# Altium PCB LM5116程控电源.PcbDoc
Units mil, origin at the board's own origin, x right, y up, seen from the top; angles counter-clockwise.
Board outline 1771.65 x 1259.84 mil, 2 copper layers (Top Layer, Bottom Layer); 37 components, 22 nets, 106 pads, 61 vias.
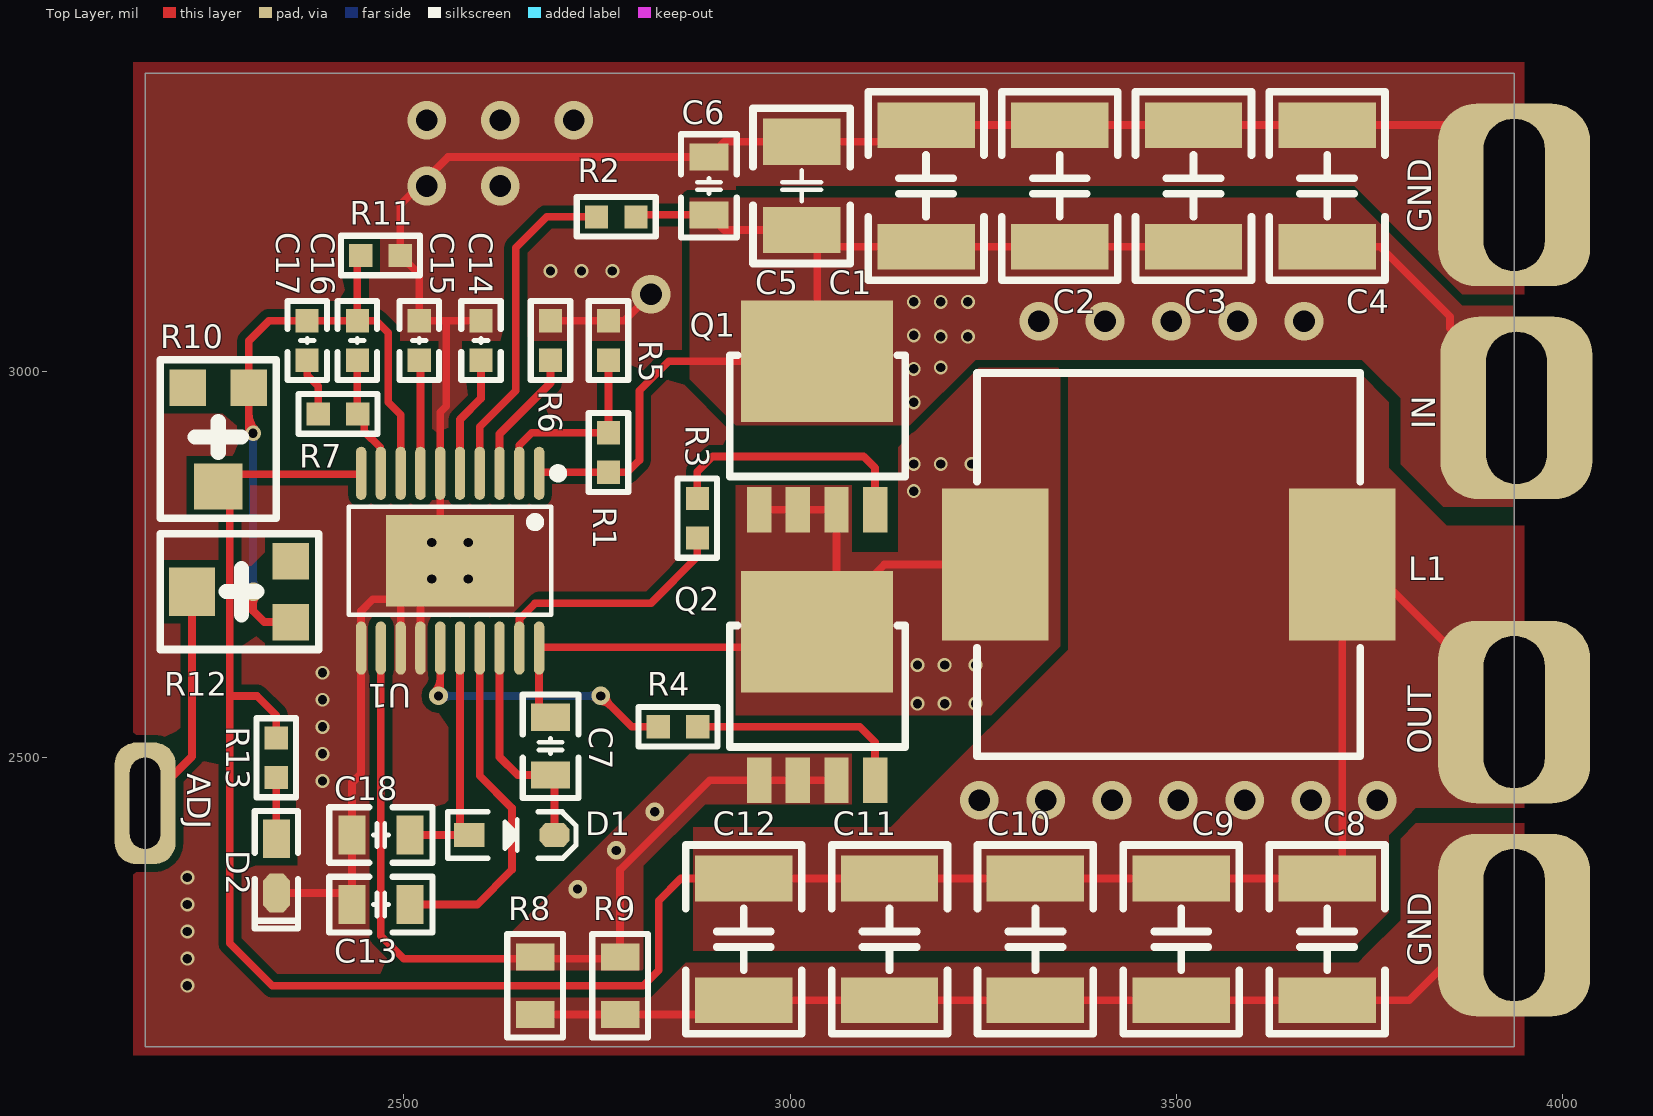
[diagram p0: Top Layer view]
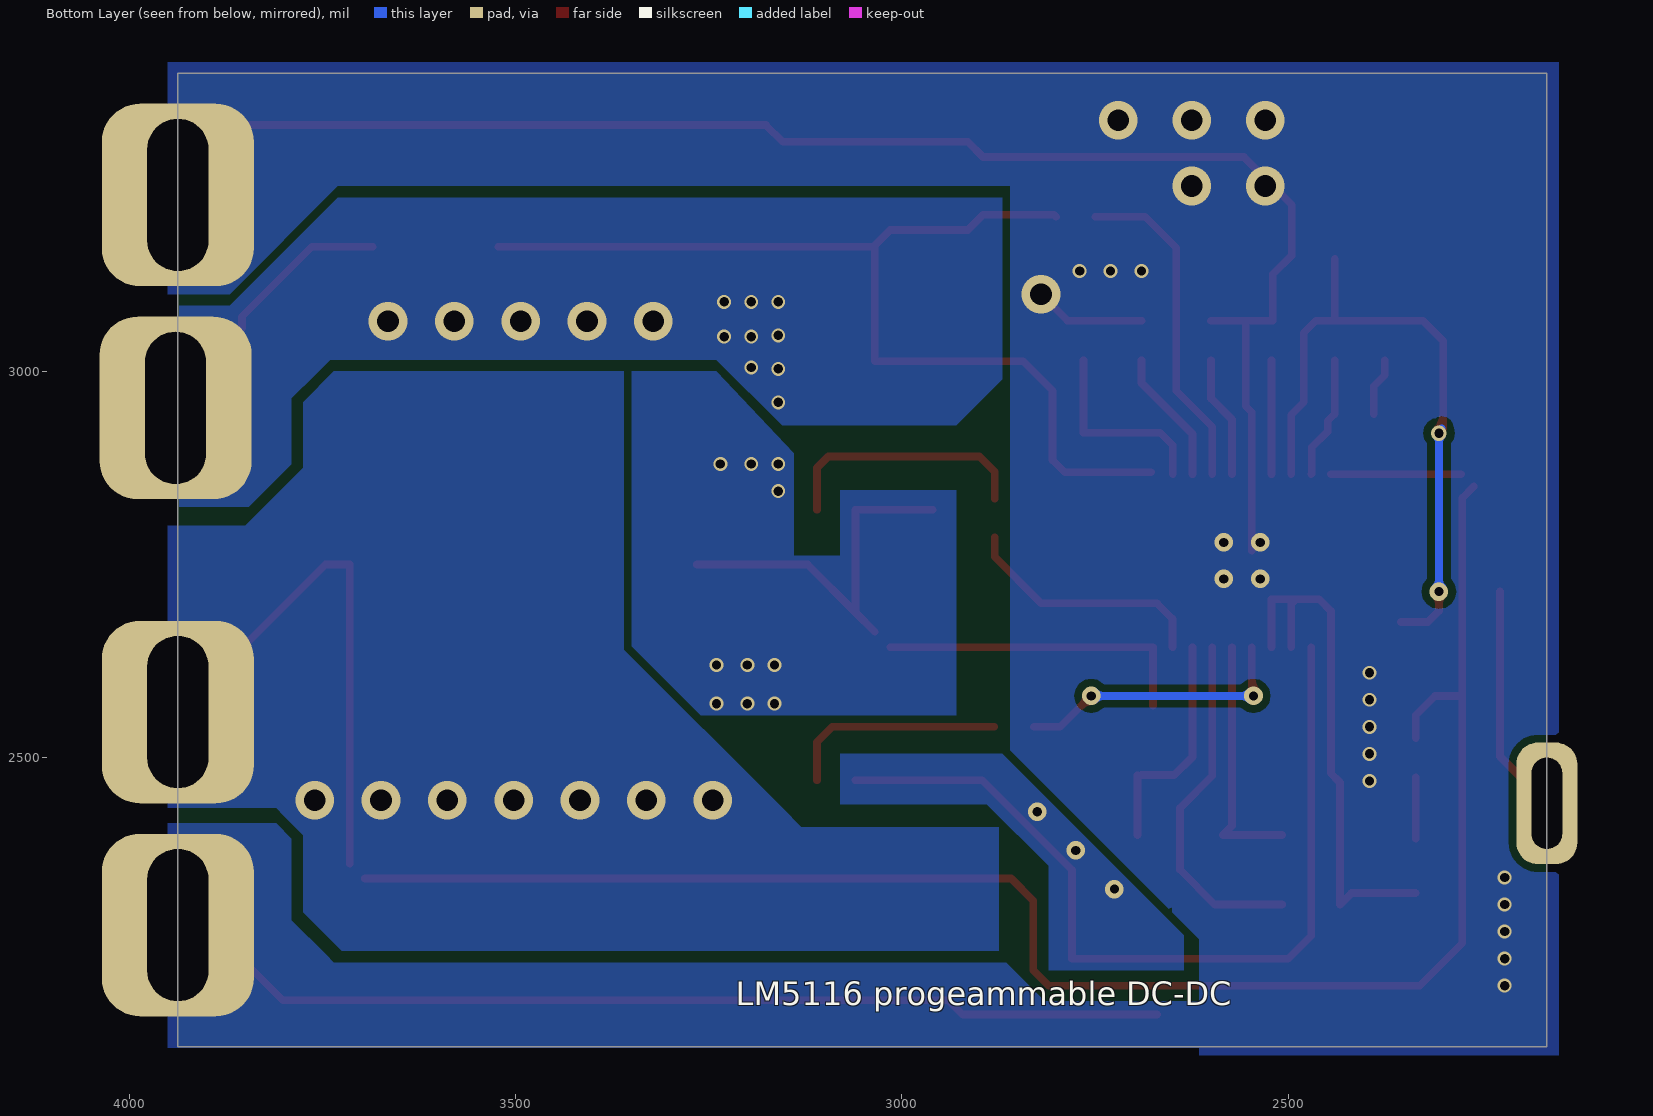
[diagram p1: Bottom Layer view, seen from below]
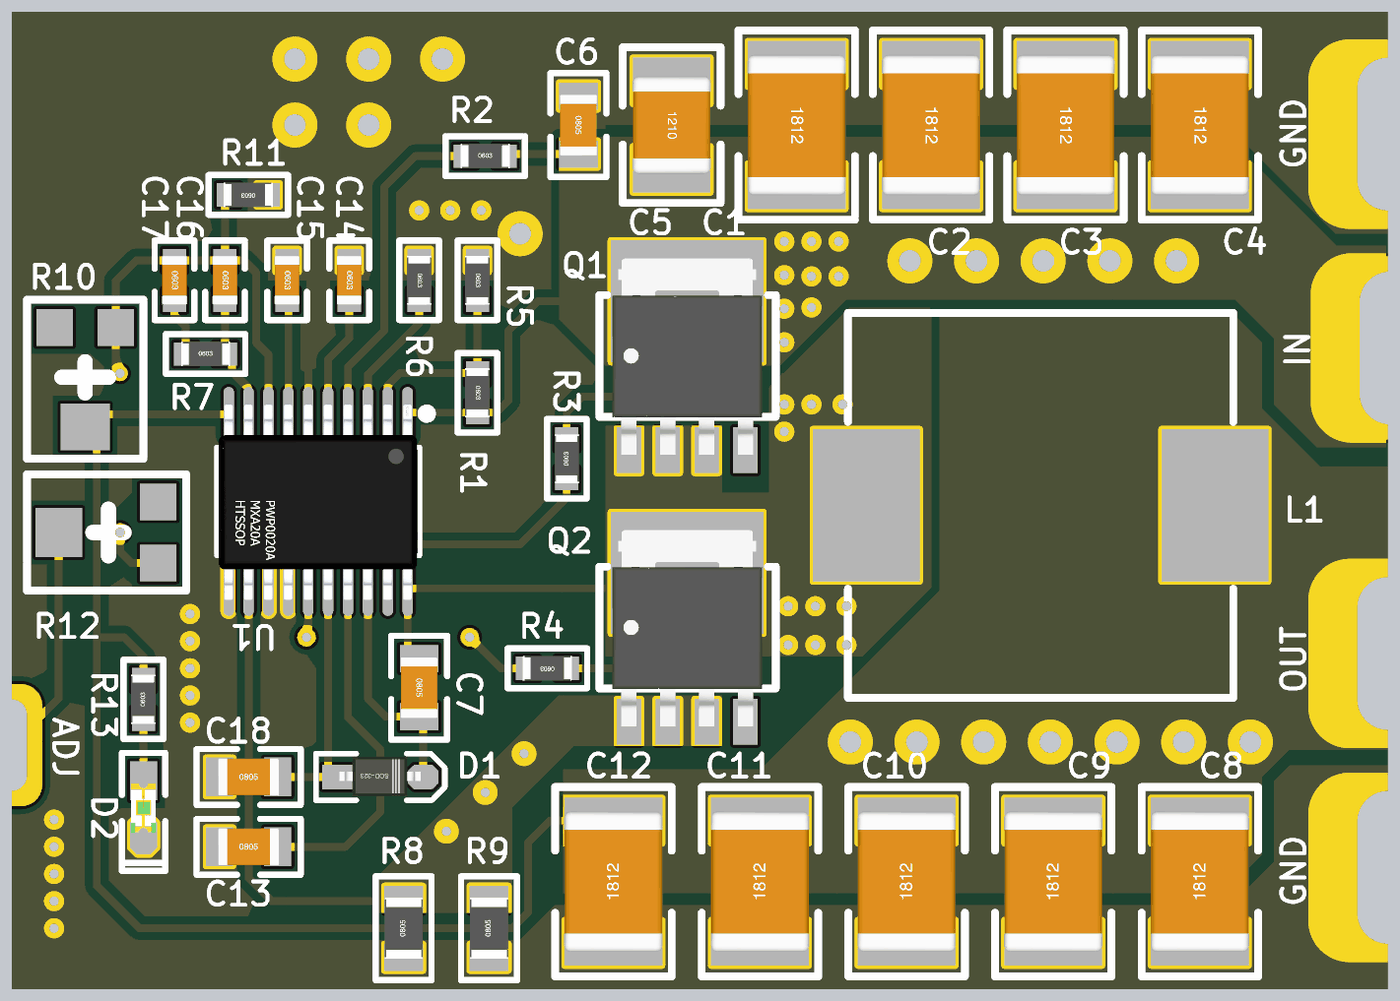
[diagram p2: 3D render of the assembled board from above, using the file's embedded part models]

## Layer stack, top to bottom
Top Solder: solder mask 0.4, Solder Resist, Dk 3.5
Top Layer: signal copper 1.4
Dielectric1: dielectric 12.6, FR-4, Dk 4.8
Bottom Layer: signal copper 1.4
Bottom Solder: solder mask 0.4, Solder Resist, Dk 3.5

## Board outline
2165.35,2125.98 2165.35,3385.83 3937.01,3385.83 3937.01,2125.98

## Design rules (kind name [scope] priority, off if disabled: settings)
Clearance [All] p1: gap=3.94 ignorepadtopadclearanceinfootprint=FALSE
ComponentClearance [All] p1 off: gap=10 collisioncheckmode=3 verticalgap=10 showdistances=FALSE
HoleSize [All] p1 off: absolutevalues=TRUE maxlimit=100 minlimit=1 maxpercent=80.000 minpercent=20.000
MinimumSolderMaskSliver [All] p1: minsoldermaskwidth=7.87
PlaneConnect [All] p1: planeconnectstyle=Direct reliefexpansion=20 reliefentries=4 reliefconductorwidth=10 reliefairgap=10
PolygonConnect [All] p1: connectstyle=Direct reliefconductorwidth=10 reliefentries=4 polygonreliefangle="90 Angle" airgapwidth=10
RoutingVias [All] p1: holewidth=28 width=50 viastyle="Through Hole" minholewidth=28 minwidth=50 maxholewidth=28 maxwidth=50
SilkToSilkClearance [All] p1 off: silktosilkclearance=10
SilkToSolderMaskClearance [IsPad] p1 off: minsilkscreentomaskgap=10 clearancetoexposedcopper=TRUE
SolderMaskExpansion [All] p1: expansion=4 istentingtop=FALSE
Width [All] p1: maxlimit=10 minlimit=5 preferedwidth=10
24 further rules are at their usual default settings.

## Components (designator, comment, footprint, x,y, rotation, side; value= is the part's Value field where it differs from the comment)
C1 "2.2uf" "C 1812_L" 3176,3240 r270 top
C2 "2.2uf" "C 1812_L" 3349,3240 r270 top
C3 "2.2uf" "C 1812_L" 3522,3240 r270 top
C4 "2.2uf" "C 1812_L" 3695,3240 r270 top
C5 "1uf" "C 1210_L" 3015,3240 r270 top
C6 "0.1uf" "C 0805_L" 2895,3240 r270 top
C7 "1uf" "C 0805_L" 2690,2515 r270 top
C8 "100uf" "C 1812_L" 3695,2265 r90 top
C9 "100uf" "C 1812_L" 3506.25,2265 r90 top
C10 "100uf" "C 1812_L" 3317.5,2265 r90 top
C11 "100uf" "C 1812_L" 3128.75,2265 r90 top
C12 "100uf" "C 1812_L" 2940,2265 r90 top
C13 "1uf" "C 0805_L" 2470.43,2310 r0 top
C14 "270pf" "C 0603_L" 2600,3040 r270 top
C15 "0.01uf" "C 0603_L" 2520,3040 r270 top
C16 "100pf" "C 0603_L" 2440,3040 r270 top
C17 "3300pf" "C 0603_L" 2375,3040 r270 top
C18 "1uf" "C 0805_L" 2470.43,2400 r0 top
D1 "Diode" SOD-323 2640,2400 r0 top
D2 "LED" "LED 0603G" 2335,2360 r270 top
L1 "6.8uH" IND-SMD_L12.6-W12.6_MS1350-XX 3490,2750 r0 top
Q1 "IRF840" SOT669 2955,2815 r0 top
Q2 "IRF840" SOT669 2955,2465 r0 top
R1 "102K" "R 0603_L" 2765,2895 r270 top
R2 "1M" "R 0603_L" 2775,3200 r0 top
R3 "4.7" "R 0603_L" 2880,2810 r90 top
R4 "4.7" "R 0603_L" 2855,2540 r180 top
R5 "21K" "R 0603_L" 2765,3040 r270 top
R6 "12.4K" "R 0603_L" 2690,3040 r270 top
R7 "18K" "R 0603_L" 2415,2945 r0 top
R8 "10m" "R 0805_L" 2670,2205 r90 top
R9 "10m" "R 0805_L" 2780,2205 r90 top
R10 "RPot" RES-ADJ-SMD_3P-L3.8-W3.6-P1.90-BL 2260,2915 r90 top value=10K
R11 "1.2K" "R 0603_L" 2470,3150 r180 top
R12 "RPot" RES-ADJ-SMD_3P-L3.8-W3.6-P1.90-BL 2290,2715 r0 top value=10K
R13 "10K" "R 0603_L" 2335,2500 r90 top
U1 "LM5116MH" HTSSOP-20_L6.5-W4.4-P0.65-LS6.4-BL-EP 2560,2755 r180 top

## Footprints (in the part's own frame and the unit in brackets; to place one, negate y for a bottom-side part, rotate by r counter-clockwise, add the part's x,y. Pads: shape width x height; smd on the part's side, far side on the other; paste and mask are expansions set on the pad)
"C 0603_L" [mil] "无极性贴片电容                                       淘宝ID:黄晶宝石"
  rect 30x30 smd: 1(-25.59,0) 2(25.59,0)
  silkscreen extent -51,-26 51,26, body extent -31,-16 31,16, height 32
"C 0805_L" [mil] "无极性贴片电容                                        淘宝ID:黄晶宝石"
  rect 35x50 smd: 1(-37.4,0) 2(37.4,0)
  silkscreen extent -67,-36 67,36, body extent -39,-24 39,24, height 20
"C 1210_L" [mil] "无极性贴片电容                                淘宝ID:黄晶宝石"
  rect 60x100 smd: 1(-57.09,0) 2(57.09,0)
  silkscreen extent -100,-63 100,63, body extent -63,-51 63,51, height 60
"C 1812_L" [mm] "无极性贴片电容                             淘宝ID:黄晶宝石"
  rect 1.5x3.2 smd: 1(-2,0) 2(2,0)
  silkscreen extent -3.1,-1.91 3.1,1.9, body extent -2.3,-1.61 2.3,1.61, height 2.01
HTSSOP-20_L6.5-W4.4-P0.65-LS6.4-BL-EP [mm]
  oval 0.343x1.747 smd: 1(-2.925,-2.873) 2(-2.275,-2.873) 3(-1.625,-2.873) 4(-0.975,-2.873) 5(-0.325,-2.873) 6(0.325,-2.873) 7(0.975,-2.873) 8(1.625,-2.873) 9(2.275,-2.873) 10(2.925,-2.873) 11(2.925,2.873) 12(2.275,2.873) 13(1.625,2.873) 14(0.975,2.873) 15(0.325,2.873) 16(-0.325,2.873) 17(-0.975,2.873) 18(-1.625,2.873) 19(-2.275,2.873) 20(-2.925,2.873)
  rect 4.2x3 smd: 21(0,0)
  silkscreen extent -3.7,-3.02 3.33,1.77, body extent -3.25,-3.18 3.25,3.23, height 0.95
IND-SMD_L12.6-W12.6_MS1350-XX [mm]
  rect 3.5x5 smd paste+0 mask+0.102: 1(-5.7,0) 2(5.7,0)
  silkscreen extent -6.3,-6.3 6.3,6.3
"LED 0603G" [mil] "绿色0603LED                                   淘宝ID:黄晶宝石"
  rect 50x35 smd: 1(-35,0.26)
  oct 50x35 smd: 2(35,0.26)
  silkscreen extent -71,-28 81,28, body extent -31,-16 32,16, height 18
"R 0603_L" [mil] "1/10W贴片电阻                 淘宝ID:黄晶宝石"
  rect 30x30 smd: 1(-25.59,0) 2(25.59,0)
  silkscreen extent -51,-26 51,26, body extent -31,-16 32,16, height 16
"R 0805_L" [mil] "1/8W贴片电阻"
  rect 35x50 smd: 1(-37.4,0) 2(37.4,0)
  silkscreen extent -67,-36 67,36, body extent -39,-25 39,25, height 20
RES-ADJ-SMD_3P-L3.8-W3.6-P1.90-BL [mm]
  rect 1.2x1.2 smd paste+0 mask+0.102: 1(1.625,-1) 3(1.625,1)
  rect 1.524x1.6 smd paste+0 mask+0.102: 2(-1.625,0)
  silkscreen extent -2.67,-1.91 2.54,1.91
SOD-323 [mm] "1.8x1.3X0.9mm（长宽高，不包括引脚）"
  rect 1x0.8 smd: 1(-1.4,0)
  oct 1x0.8 smd: 2(1.4,0)
  silkscreen extent -2.11,-0.76 2.11,0.76, body extent -1.34,-0.63 1.31,0.67, height 1
SOT669 [mil] "IFPAK       淘宝ID:黄晶宝石"
  rect 31.5x59.06 smd: 1(155,6) 3(5,6) 3(55,6) 3(105,6)
  rect 196.85x157.48 smd: 2(80,198)
  silkscreen extent -33,49 194,206, body extent -16,0 176,253, height 61

## Part data
C1 C2 C3 C4 C5 C6 C7 C8 C9 C10 C11 C12 C13 C14 C15 C16 C17 C18: library part C, "贴片电容", BOM名称=无极性贴片电容, 唯一出售店铺网址=https://shop463601444.taobao.com, 淘宝ID="封装库来自淘宝 ID：黄晶宝石", 联系售后，技术支持=https://shop463601444.taobao.com
D1: "Default Diode", Code_JEDEC=DO-214-AB, LatestRevisionDate=17-Jul-2002, LatestRevisionNote="Re-released for DXP Platform.", PackageDescription="DO-214-AB/SMC; 2 C-Bend Leads; Body 7.9 x 5.9 mm, inc. leads (LxW)", PackageReference=SMC, PackageVersion=Sep-1996, Published=8-Jun-2000, Publisher="Altium Limited"
D2: "发光二极管", 技术支持，联系售后=https://shop463601444.taobao.com
L1: library part L, "小功率贴片电感", BOM名称=小功率贴片电感, 封装库来自淘宝卖家 ID：黄晶宝石=其他店铺购入均为盗版，不享受售后技术支持服务，请立即申请退款, 淘宝ID="封装库来自淘宝 ID：黄晶宝石", 联系售后=https://item.taobao.com/item.htm?id=566775463719
Q1 Q2: "N沟场效应管", ="封装库来自淘宝 ID：黄晶宝石", BOM名称=N沟场效应管, 技术支持，联系售后=https://item.taobao.com/item.htm?id=566775463719
R1 R2 R3 R4 R5 R6 R7 R8 R9 R11 R13: library part R, "贴片电阻", BOM名称=贴片电阻, 封装库来自淘宝卖家 ID：黄晶宝石=其他店铺购入均为盗版，不享受售后技术支持服务，请立即申请退款, 版权归属="来自淘宝 ID：黄晶宝石", 联系售后=https://item.taobao.com/item.htm?id=566775463719
R10 R12: "Potentiometer", LatestRevisionDate=17-Jul-2002, LatestRevisionNote="Re-released for DXP Platform.", PackageDescription="Variable Resistor, Thru-Hole; 3 Leads", PackageReference=VR5, Published=8-Jun-2000, Publisher="Altium Limited", Set Position=0.5, Sim Note="Enter the Resistance value and the set point into parameter fields."
U1: "No Description Available", Mfr_Name="Texas Instruments", Copyright="Copyright (C) 2024 Ultra Librarian. All rights reserved.", Manufacturer_Part_Number=LM5116MH, RefDes=RefDes, Type=DEV

## Free pads (board coordinates)
  rrect70% 78.74x157.48 hole 39.37 slot 118.11 at 90 deg: 0(2165.35,2440.94)
  rrect50% 196.85x236.22 hole 78.74 slot 196.85 at 90 deg: 0(3937.01,2283.46) 0(3937.01,2559.06) 0(3937.01,3228.35) 0(3940,2952.76)

## Via types
v1: diameter 18, hole 12, Top Layer to Bottom Layer, 32 vias
v2: diameter 50, hole 28, Top Layer to Bottom Layer, 18 vias
v3: diameter 24, hole 12, Top Layer to Bottom Layer, 10 vias
v4: diameter 20, hole 12, Top Layer to Bottom Layer, 1 vias

## Nets (pads, with @x,y where several pads share a name; then routed paths per layer and width w, separated by ;. In a path a pad name is that pad's centre, name@x,y a point inside that pad or via, vN(x,y) a via of type N, cw(c..) or ccw(c..) an arc to the next point about the centre after c; other vN are vias at no path point)
ADJ: pad.0@2165.35,2440.94 R12.2 | length 299.2
  Top Layer w10: pad.0@2165.35,2440.94 2226.03,2501.62 R12.2
GND: C1.1 C2.1 C3.1 C4.1 C5.1 C6.1 C8.1 C9.1 C10.1 C11.1 C12.1 C13.1 C14.1 C15.1 C18.1 D2.2 pad.0@3937.01,2283.46 pad.0@3937.01,3228.35 R5.1 R6.1 R8.1 R9.1 R11.1 U1.6 U1.11 U1.13 U1.14 U1.21 | length 4218.6
  Top Layer w10: D2.2 2418.03,2325 C13.1 C18.1 2433.03,2468.03 2444.84,2479.84 2444.84,2689.84 2460,2705 U1.21@2490,2705 ; U1.13@2496.02,2643 2496.02,2698.98 U1.21@2490,2705 ; U1.21@2520,2705 U1.21@2490,2705 ; U1.14@2521.61,2643 U1.21@2521.61,2705 ; U1.21@2547.2,2767.8 U1.6 2547.2,2947.2 2555,2955 2555,3065.59 ; C14.1 2555,3065.59 ; R8.1 R9.1 2921.34,2167.6 C12.1 C11.1 C10.1 C9.1 C8.1 3801.26,2186.26 3898.46,2283.46 pad.0@3937.01,2283.46 ; R6.1 R5.1 2785.59,3065.59 v2(2820,3100) ; pad.0@3937.01,3228.35 3846.61,3318.74 C4.1 C3.1 C2.1 C1.1 3154.34,3297.08 C5.1 2914.68,3297.08 C6.1 2557.4,3277.4 2495.59,3215.59 R11.1 2520,3125.6 C15.1 2555,3065.59
  other v1: 2220,2205 2220,2240 2220,2275 2220,2310 2220,2345 2395,2470 2395,2505 2395,2540 2395,2575 2395,2610 2690,3130 2730,3130 2770,3130
  other v2: 2530,3240 2625,3240 2530,3325 2625,3325 2720,3325
  other v3: 2536.38,2731.38 2583.62,2731.38 2536.38,2778.62 2583.62,2778.62
NetC7_1: C7.1 L1.1 Q1.3 Q2.2 U1.20 | length 915.2
  Top Layer w10: C7.1@2675.16,2567.24 2675.16,2643 Q2.2@3015,2643 ; Q1.3@2960,2821 3010,2821 3060,2821 Q2.2@3060,2688 ; Q2.2 Q2.2@3060,2688 ; L1.1 3122,2750 Q2.2@3060,2688
  other v1: 3165,2570 3200,2570 3240,2570 3165,2620 3200,2620 3240,2620 3160,2845 3160,2880 3195,2880 3235,2880
NetC7_2: C7.2 D1.2 U1.18 | length 295.2
  Top Layer w10: U1.18@2623.98,2643 2623.98,2501.02 2647.4,2477.6 C7.2 ; D1.2 C7.2@2695.12,2477.48
NetC13_2: C13.2 U1.17 | length 456
  Top Layer w10: C13.2 2595,2310 2640,2355 2640,2435 2598.39,2476.61 U1.17@2598.39,2643
NetC14_2: C14.2 U1.5 | length 158.7
  Top Layer w10: U1.5@2572.8,2867 2572.8,2937.8 2600,2965 C14.2
NetC15_2: C15.2 U1.7 | length 147.4
  Top Layer w10: U1.7@2521.61,2867 C15.2@2521.61,3014.41
NetC16_1: C16.1 C17.1 R10.1 R11.2 R12.1 U1.8 | length 980.3
  Top Layer w10: 2299.37,2945.66 ccw(c2330.66,2945.66) v4@2308.54,2923.54 ; v3@2300.05,2710.05 cw(c2288.1,2698.1) 2305,2698.1 cw(c2321.9,2698.1) v3@2309.95,2710.05 ; v3(2305,2715) 2305,2690 2319.37,2675.63 R12.1 ; v4(2305,2920) 2299.37,2925.63 R10.1 2299.37,3039.37 2325.59,3065.59 C17.1 C16.1 ; R11.2@2440,3145.59 C16.1 ; U1.8@2496.02,2867 2496.02,2943.98 2480,2960 2480,3050 2464.41,3065.59 C16.1
  Bottom Layer w10: v3@2300.05,2719.95 ccw(c2288.1,2731.9) 2305,2731.9 ccw(c2321.9,2731.9) v3@2309.95,2719.95 ; v4@2301.46,2916.46 cw(c2292.93,2907.93) 2305,2907.93 cw(c2317.07,2907.93) v4@2308.54,2916.46 ; v4@2301.46,2926.46 cw(c2292.93,2917.93) v4@2305,2917.93 ; v3(2305,2715) v4(2305,2920)
NetC16_2: C16.2 R7.2 U1.9 | length 160
  Top Layer w10: C16.2 2440,2945 2449.08,2935.92 2449.08,2922.27 2469.76,2901.59 2469.76,2867.67 U1.9@2470.43,2867
NetC17_2: C17.2 R7.1 | length 75.4
  Top Layer w10: C17.2 2375,2995 2389.41,2980.59 R7.1
NetC18_2: C18.2 D1.1 U1.16 | length 325.1
  Top Layer w10: C18.2 D1.1 2572.8,2412.09 U1.16@2572.8,2643
NetD2_1: D2.1 R13.1 | length 79.2
  Top Layer w10: D2.1@2335,2395.25 R13.1
NetQ1_1: Q1.1 R3.2 | length 332.9
  Top Layer w10: R3.2 2880,2870 2900,2890 3095,2890 3110,2875 Q1.1
NetQ2_1: Q2.1 R4.1 | length 286.7
  Top Layer w10: R4.1 3090,2540 3110,2520 Q2.1
NetQ2_3: Q2.3 R8.2 R9.2 U1.12 | length 1138.3
  Top Layer w10: U1.12@2470.43,2643 2470.43,2269.57 2500,2240 2780,2240 2780,2355 2896,2471 2960,2471 3010,2471 Q2.3@3060,2471
  other v3: 2725,2330 2775,2380 2825,2430
NetR1_1: R1.1 R5.2 U1.2 | length 253.5
  Top Layer w10: U1.2@2649.57,2867 2649.57,2904.57 2665.59,2920.59 R1.1 R5.2
NetR2_1: R2.1 U1.4 | length 433.3
  Top Layer w10: U1.4@2598.39,2867 2598.39,2928.39 2645,2975 2645,3160 2685,3200 R2.1
NetR3_1: R3.1 U1.19 | length 325.3
  Top Layer w10: U1.19@2649.57,2643 2649.92,2643.35 2649.92,2679.92 2670,2700 2820,2700 2880,2760 R3.1@2880,2785
NetR4_2: R4.2 U1.15 | length 462.8
  Top Layer w10: v3@2540.05,2584.95 ccw(c2522.78,2602.22) 2547.2,2602.22 ; v3@2547.2,2580 U1.15@2547.2,2643 ; v3@2755,2573 cw(c2755,2556.1) 2766.95,2568.05 cw(c2778.9,2580) v3@2762,2580 ; v3(2755,2580) 2795,2540 R4.2
  Bottom Layer w10: v3(2545,2580) v3(2755,2580) ; v3@2549.95,2575.05 cw(c2561.9,2563.1) 2561.9,2580 cw(c2561.9,2596.9) v3@2549.95,2584.95 ; v3@2750.05,2575.05 ccw(c2738.1,2563.1) 2738.1,2580 ccw(c2738.1,2596.9) v3@2750.05,2584.95
NetR6_2: R6.2 U1.3 | length 174.8
  Top Layer w10: U1.3@2623.98,2867 2623.98,2918.98 2690,2985 R6.2
VIN: C1.2 C2.2 C3.2 C4.2 C5.2 C6.2 pad.0@3940,2952.76 Q1.2 R1.2 R2.2 U1.1 | length 1691.4
  Top Layer w10: U1.1@2677.57,2869.41 R1.2 2789.41,2869.41 2805,2885 2805,2975 2843,3013 Q1.2 C5.2@3035,3162.91 ; R2.2 2803.19,3202.6 C6.2 2914.68,3182.91 C5.2 C5.2@3035,3162.91 ; C3.2 C2.2 C1.2 3036.65,3161.26 C5.2@3035,3162.91 ; C4.2@3685,3161.26 C4.2 3763.74,3161.26 3854.13,3070.87 3854.13,3055.87 3890,3020 pad.0@3950,3020
  other v1: 3160,2960 3160,3003.33 3195,3005 3195,3045 3230,3045 3160,3046.67 3160,3090 3195,3090 3230,3090
  other v2: 3321.67,3065 3407.5,3065 3493.33,3065 3579.17,3065 3665,3065
VOUT: C8.2 C9.2 C10.2 C11.2 C12.2 L1.2 pad.0@3937.01,2559.06 R10.2 R13.2 U1.10 | length 3107.4
  Top Layer w10: R10.2 2275,2836.03 2275,2580 ; R10.2@2275.97,2867 U1.10@2444.84,2867 ; R13.2 2335,2555 2310,2580 2275,2580 ; C8.2 C9.2 C10.2 C11.2 C12.2 2858.74,2343.74 2830,2315 2830,2225 2810,2205 2330,2205 2275,2260 2275,2580 ; C8.2@3714.41,2363.14 L1.2 3746.06,2750 pad.0@3937.01,2559.06
  other v2: 3245,2445 3330.83,2445 3416.67,2445 3502.5,2445 3588.33,2445 3674.17,2445 3760,2445
pads on no net: R10.3 R12.3

## Polygon pours and split planes (outlines as drawn)
GND on Top Layer "Top Layer-GND2" (solid, remove dead copper, pour order 37): 2507.04,3400 2150,3400 2150,2115 2671.83,2115 2671.83,2270 2930,2505 2930,3240 2930,3400
VIN on Top Layer "Top Layer-VIN" (solid, remove dead copper, pour order 21): 3935,3085 3870,3085 3760,3195 3730,3225 2870,3225 2870,2990 2930,2930 3140,2930 3155,2930 3240,3015 3655,3015 3740,3015 3760,2995 3790,2965 3790,2885 3790,2880 3825,2845 3845,2825 3935,2825 3935,3085
VOUT on Top Layer "Top Layer-Vout" (solid, pour order 23): 3950,2800 3870,2800 3850,2800 3780,2870 3775,2875 3775,2930 3775,2960 3735,3000 3485,3000 3360,3000 3360,2830 3360,2640 3155,2435 3130,2410 2925,2410 2875,2410 2875,2250 2925,2250 3725,2250 3775,2300 3775,2400 3800,2425 3810,2435 3950,2435 3950,2800
NetC7_1 on Top Layer "Top Layer-SW" (solid, pour order 27): 2930,2555 2930,2852.92 3080,2852.92 3080,2766.25 3140,2766.25 3140,2901.67 3240,3010 3350,3010 3350,2630.83 3280,2555 2930,2555
GND on Top Layer "Top Layer-GND1" (solid, pour order 29): 3950,2415 3820,2415 3810,2415 3790,2395 3790,2290 3745,2245 3735,2235 3390,2235 2865,2235 2835,2205 2815,2185 2625,2185 2625,2125 3185,2125 3950,2125 3950,2415
GND on Top Layer "Top Layer-GND2" (solid, pour order 30): 3950,3100 3875,3100 3870,3100 3815,3155 3730,3240 3600,3240 2850,3240 2850,3400 3950,3400 3950,3100
GND on Top Layer "Top Layer-GND2" (solid, pour order 31): 2850,3240 2700,3240 2625,3165 2625,3045 2500,3045 2475,3070 2475,3155 2475,3400 2850,3400 2850,3240
GND on Top Layer "Top Layer-GND2" (solid, pour order 32): 2660,3045 2660,3145 2660,3150 2680,3170 2850,3170 2860,3170 2860,3040 2665,3040 2660,3045
NetQ2_3 on Top Layer "Top Layer-Q2_3" (solid, pour order 25): 3080,2505 2930,2505 2870,2505 2635,2270 2635,2225 2810,2225 2810,2305 2810,2360 2890,2440 3080,2440
GND on Top Layer "Top Layer-GND2" (solid, pour order 38): 2625,2189.71 2625.29,2190 2835,2190 3915,2190 3950,2155 3950,2115 2625,2115
GND on Bottom Layer "Bottom Layer-GND2" (solid, pour order 33): 3950,3100 3870,3100 3730,3240 2860,3240 2860,3040 2510,3040 2475,3075 2475,3400 3950,3400 3950,3100
GND on Bottom Layer "Bottom Layer-GND1" (solid, pour order 28): 3950,2415 3820,2415 3810,2415 3790,2395 3790,2290 3745,2245 3735,2235 3390,2235 2865,2235 2835,2205 2815,2185 2625,2185 2625,2125 3185,2125 3950,2125 3950,2415
GND on Bottom Layer "Bottom Layer-GND2" (solid, pour order 34): 2475,3400 2150,3400 2150,2125 2625,2125 2625,2185 2330,2185 2255,2260 2255,3055 2260,3055 2385,3180 2475,3270 2475,3400
GND on Bottom Layer "Bottom Layer-GND2" (solid, pour order 35): 2650,3040 2650,2325 2650,2300 2615,2265 2615,2115 2150,2115 2150,2425 2150,3400 2650,3400 2650,3040
GND on Bottom Layer "Bottom Layer-GND2" (solid, pour order 36): 2860,3040 2860,2605 2860,2510 2650,2300 2650,3040 2860,3040
NetQ2_3 on Bottom Layer "Bottom Layer-Q2_3" (solid, pour order 24): 3080,2505 2930,2505 2870,2505 2635,2270 2635,2225 2810,2225 2810,2305 2810,2360 2890,2440 3080,2440
VOUT on Bottom Layer "Bottom Layer-Vout" (solid, pour order 22): 3950,2800 3870,2800 3850,2800 3780,2870 3775,2875 3775,2930 3775,2960 3735,3000 3485,3000 3360,3000 3360,2830 3360,2640 3155,2435 3130,2410 2925,2410 2875,2410 2875,2250 2925,2250 3725,2250 3775,2300 3775,2400 3800,2425 3810,2435 3950,2435 3950,2800
NetC7_1 on Bottom Layer "Bottom Layer-SW" (solid, pour order 26): 2930,2555 2930,2846.37 3080,2846.37 3080,2761.61 3140,2761.61 3140,2894.05 3240,3000 3350,3000 3350,2629.17 3280,2555 2930,2555
VIN on Bottom Layer "Bottom  Layer-VIN" (solid, remove dead copper, pour order 20): 3935,3085 3870,3085 3760,3195 3730,3225 2870,3225 2870,2990 2930,2930 3140,2930 3155,2930 3240,3015 3655,3015 3740,3015 3760,2995 3790,2965 3790,2885 3790,2880 3825,2845 3845,2825 3935,2825 3935,3085

## Silkscreen, mask and mechanical layers (free items; w line width, h text height)
Top Overlay:
  text "GND" at 3830,3180 h30 r90
  text "IN" at 3835,2925 h30 r90
  text "OUT" at 3830,2505 h30 r90
  text "ADJ" at 2220,2480 h30 r270
  text "GND" at 3830,2230 h30 r90
Bottom Overlay:
  text "LM5116 progeammable DC-DC" at 3215,2180 h30
Mechanical 1:
  the board outline again, w20